# KiCad board TRX055.01.01.PB.00.00.kicad_pcb (continued)
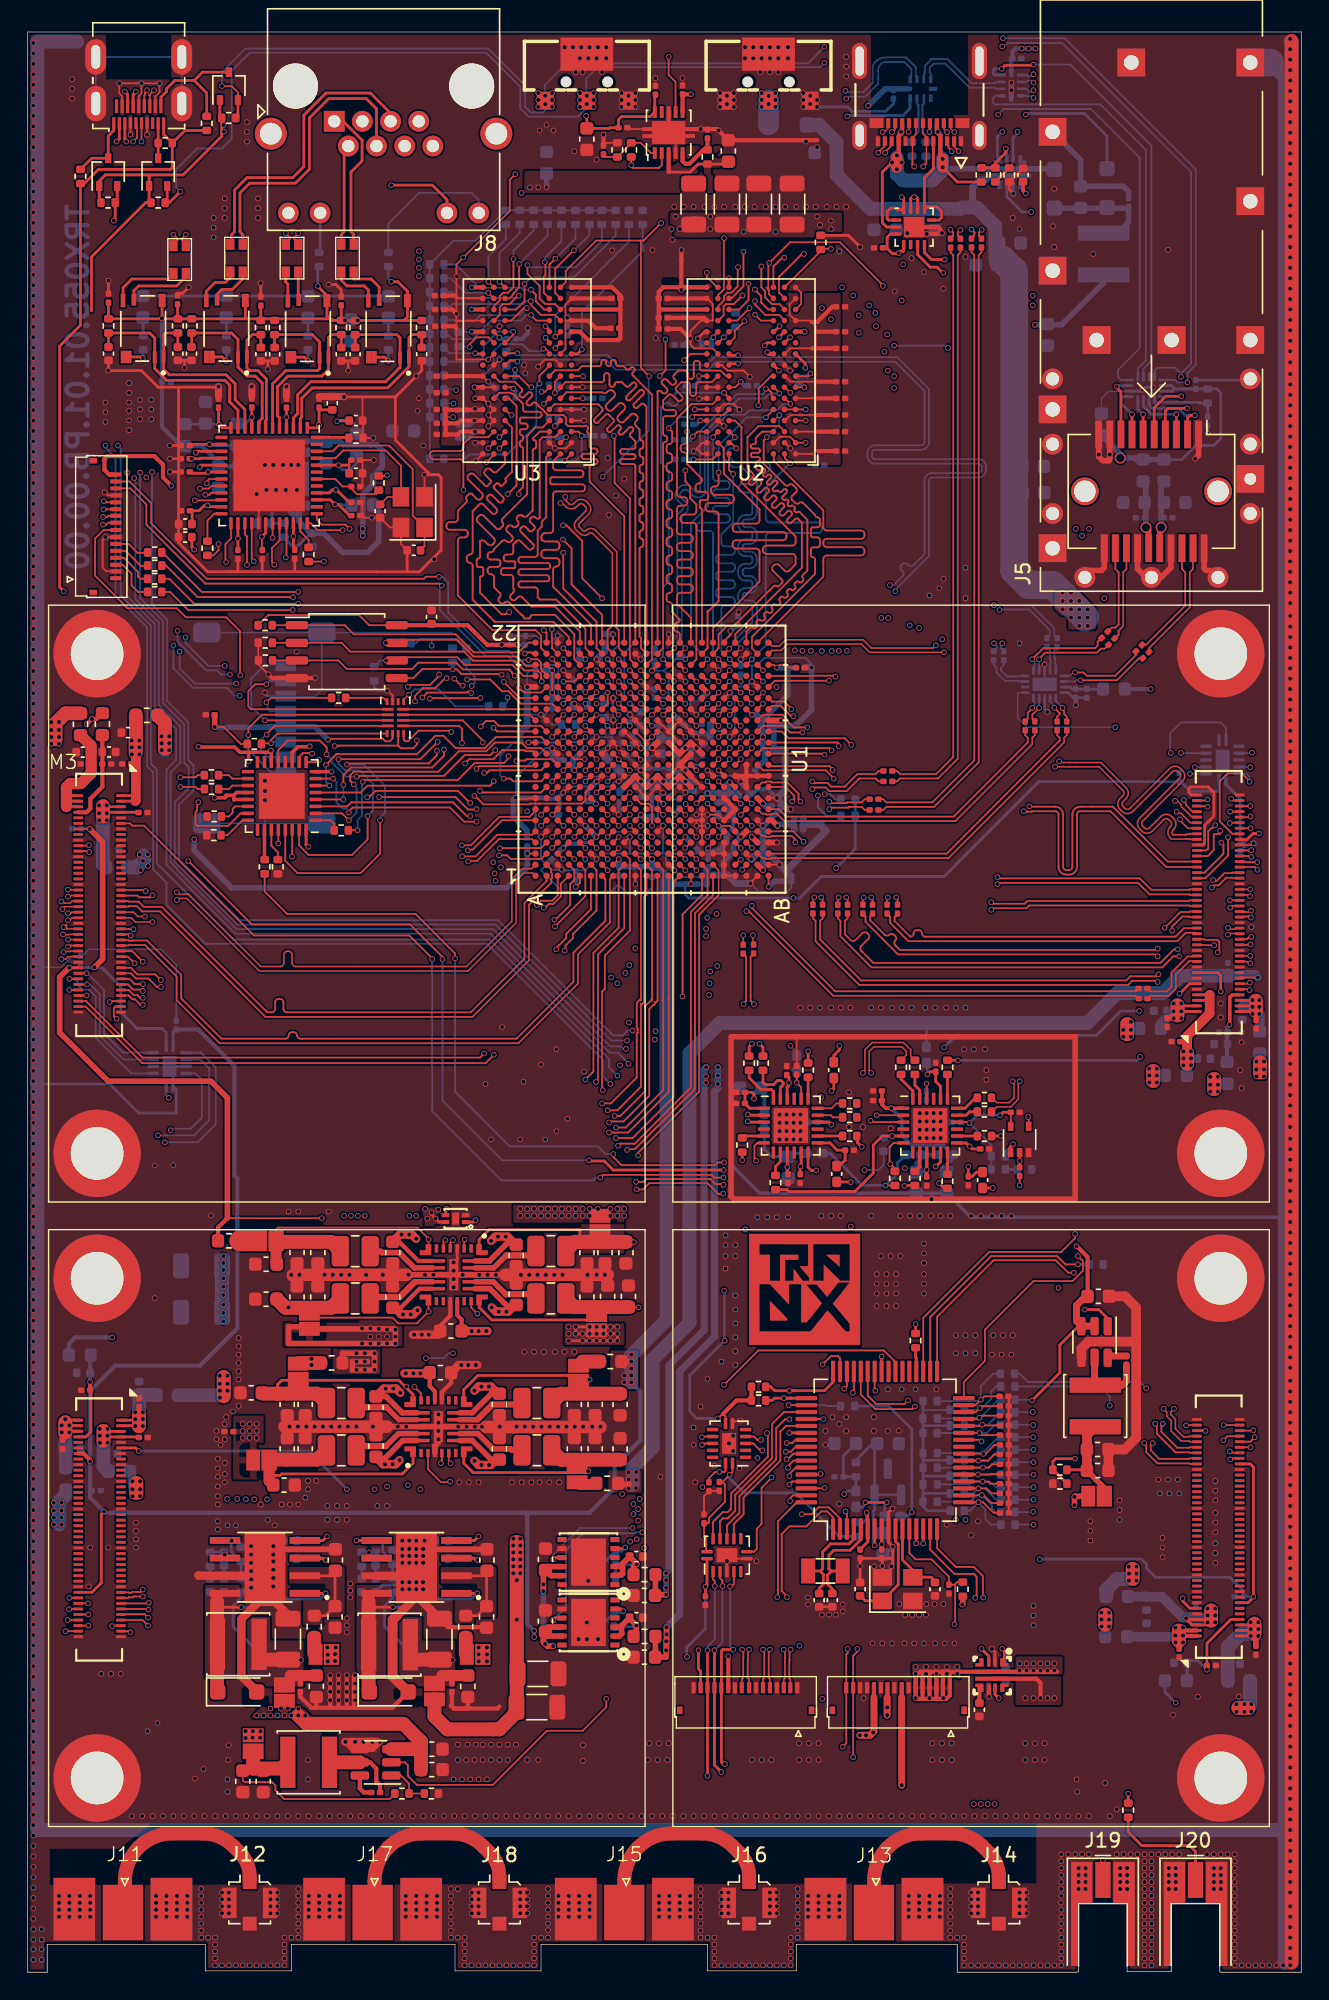
[diagram p0: board, top side]
## Routing (per net, layer and track width the routed paths; a pad name or vN(x,y) marks a point on that pad's centre or on a via; arc(x,y) is an arc through that point) (continued)
  In4.Cu w0.127: v1(48.2,90.6) 48.19,90.6 47.82,90.97 ; 47.4,93 v1(47.41,92.99)
  Bottom w0.1: J6.9 21.2,92.4 20.75,91.94 18.6,91.94 ; J6.9 J6.9 ; J6.9 30.61,96.53 ; C164.2 54.8,56.22 54.9,56.12 ; v1(17.1,84.45) 17.1,82.78 ; 17.1,82.78 J6.9 ; 17.1,82.78 J6.9 ; 42.12,89 C51.2 42.19,89.41 42.19,91.05 ; 42.12,89 42.12,88.67 C50.2 42.09,88.63 C55.2 42.84,88.44 v1(42.6,88.2) 43.08,87.72 C184.2 ; 42.12,89 42.11,88.99 41.01,88.99 v1(41,89) ; C231.2 77.4,113.4 77.9,113.9 79.38,113.9 U22.6 ; 0.7,72.4 2.4,72.4 3.22,73.22 C220.2 3.92,73.22 4.4,73.7 9.6,73.7 10.7,72.6 C223.2 ; v1(88.37,81.34) 88.23,81.2 87.81,81.2 87.4,80.78 ; 33.92,90.6 36,90.6
  Bottom w0.127: v1(43.4,90.6) 43.04,90.96 42.19,90.96 42.19,91.81 ; R150.1 24.97,92.61 25.25,92.33 v1(25.9,92.33) ; v1(39.4,91.4) 39.4,90.96 37.61,90.96 37.25,90.6 v1(36.99,90.6) ; 47.76,91.85 47.76,91.04 v1(48.2,90.6) 48.6,91 50.96,91 ; v1(36,92.6) 36,93.6 36.22,93.82 36.58,93.82 ; C60.2 34.78,96.29 C59.2 36.66,96.29 37.06,95.89 37.79,95.89 v1(38.2,96.3) 38.55,96.3 ; 64.54,40.53 64.56,40.5 66.5,40.5 ; C77.2 45,78.15 44.55,77.7 43.25,77.7 42.61,78.34 C78.2 42.61,78.41 42.03,77.84 38.56,77.84 37,79.4 37.4,79.8 ; v1(32,118.2) 31.96,118.16 R51.1 ; 46,80.6 46,80 v1(46.6,79.4) 47.1,78.9 48.92,78.9 ; 46,80.6 48.2,80.6 48.2,81 ; 46,80.6 45.8,80.6 ; C29.2 44.2,88.48 v1(44.2,88.2) ; 37.4,79.8 37.76,79.44 v1(38.49,79.44) 38.53,79.4 40.2,79.4 v1(41,80.2) 41.4,80.6 43.4,80.6 ; 37.4,79.8 37,80.2 v1(37,81.8) 37,81.81 36.6,82.21 36.6,84.51 ; 50.96,91 50.96,89.36 v1(50.6,89) 50.16,89.44 49.41,89.44 49.23,89.25 ; 50.96,91 50.96,91.84 v1(50.6,92.2) 51.04,92.64 51.84,92.64 v1(52.2,93) 52.2,94.09 52.15,94.14 ; v1(52.1,78.45) 52.8,77.75 54.65,77.75 55.02,78.12 C41.2 ; v1(56.5,94) 56.5,94.25 56.05,94.7 53.1,94.7 52.54,94.14 52.15,94.14 ; 52.15,94.14 C83.2 51.38,94.16 50.16,94.16 v1(49.8,93.8) ; J7.SH J7.SH J7.SH J7.SH ; v1(44.2,94.6) 44.2,94.75 44.56,95.11 C63.2 ; 43.4,80.6 44.6,80.6 45.8,80.6 ; 43.4,80.6 v1(43.4,81.8) ; v1(36.99,90.6) 36,90.6 ; v1(36.99,90.6) 37.07,90.6 37.77,89.9 R70.2 39.02,89.36 40.64,89.36 v1(41,89) ; 18.6,91.94 17.25,91.94 17,92.2 ; 45.8,80.6 v1(45.8,82.6) 45.42,82.98 45.42,84.62 v1(45.8,85) 46.07,84.73 C30.2 46.52,84.51 46.95,84.51 47.4,84.96 v1(47.4,85) ; C50.2 41.8,88.35 v1(41.8,88.2) ; C184.2 44.2,86.62 v1(44.2,86.6) 43.84,86.24 43.04,86.24 v1(42.6,85.8) 42.37,85.8 42.01,85.44 41.36,85.44 v1(41,85.8) 40.64,85.44 39.04,85.44 v1(38.6,85) 38.4,85 ; 56.08,114.3 v1(55.98,114.2) ; 51.06,97.85 51.2,97.72 ; 48.34,113.4 v1(48.38,113.36) ; v1(54.29,90.19) 54.29,90.21 ; v1(51.4,85.8) 50.99,86.21 49.45,86.21 49.07,86.59 v1(49,86.59) ; 35.2,84.64 v1(35.18,84.64) 35.2,84.66 35.2,86.1 37.3,88.2 v1(37.8,88.2) ; U26.12 73.3,93.05 ; v1(51.4,81.8) 51.76,82.16 52.56,82.16 v1(53,82.6)
  Bottom w0.2: v1(44.2,86.6) 44.37,86.77 C31.2 46.31,86.77 46.7,86.38 C38.2 47.12,86.6 v1(47.4,86.6) 47.8,87 48.48,87 48.6,86.89 ; C243.2 C241.2 ; v1(56.9,134.4) 59.1,134.4 59.42,134.08 61.85,134.08 62.4,134.63 C232.2 ; U23.4 U23.15 10.47,65.01 U23.7 10.7,63.6 10.7,61.9 8,61.9 5.9,64 0.7,64 ; 64.56,41.22 64.54,41.21 R132.2 64.54,39.4 ; C242.2 18.1,31.1 v1(17.7,30.7) ; R116.2 64.54,34.5 ; 64.54,34.5 64.54,35.75 ; 64.54,34.5 R114.2 64.54,33.56 64.85,33.25 R112.2 ; 29.28,29.8 28.67,29.8 28.67,29.3 27.28,27.9 25.58,27.9 C255.2 C252.2 ; 64.54,35.75 R120.2 ; 64.54,35.75 R122.2 R126.2 64.54,39.4 ; v1(73.5,90.8) 73.3,91 U26.3 ; v1(44.2,93) 44.74,92.46 C69.2 ; 81.15,114.2 80.6,114.2 80.32,113.92 80.15,113.92 ; J5.CAGE 88.04,114.72 C273.2 ; C272.2 75.37,91.83 75,92.2 U26.18 ; R3.2 15.38,30.93 ; U22.6 80.15,113.92 ; 80.15,113.92 80.27,113.92 ; 64.55,36.9 64.57,36.88 66.47,36.88 R124.2 ; 64.54,39.4 64.56,39.38 66.47,39.38 R130.2 ; C174.2 61.78,30.09 v1(62.35,30.66) ; C251.2 28.67,31.1 ; v1(17.7,108.6) 17.6,108.7 U31.8 ; C274.2 v1(85.05,110.85)
  Bottom w0.25: U27.8 71.03,128.07 ; 65.15,56.12 C169.2 52.78,56.12 50.8,58.1 50.8,63.17 C165.2 ; 65.15,56.12 v1(65.15,55.7) ; 65.15,56.12 C171.2 67.97,54.4 90.6,54.4
  Bottom w0.3: C328.2 48.63,117.37 v1(48.29,117.71) ; C35.2 42.64,83.44 v1(42.6,83.4) ; v1(35.18,84.64) 35.2,84.62 37.16,84.62 37.23,84.55 37.61,84.55 37.61,84.55 37.99,84.55 38.06,84.62 38.14,84.62 38.31,84.45 ; C28.2 47.51,85.11 v1(47.4,85) ; v1(51.4,81.8) 50.86,82.34 C47.2 50.83,83.36 R152.2 ; C33.2 45,83.91 C81.2 ; C33.2 45.48,84.68 v1(45.8,85) ; C33.2 C34.2 ; v1(38.6,85) 38.31,84.71 38.31,84.45 ; C327.2 55.84,114.34 v1(55.98,114.2) ; 38.31,84.45 C74.2 ; C83.2 v1(51.4,94.6) ; v1(51.4,85.8) 51.33,85.73 51.33,85.7 52.19,84.84 52.59,85.24 53.36,85.24 v1(54,84.6) ; C271.2 v1(75.55,91.3) ; 36.05,118.48 36.05,118.09 35.64,117.68 C330.2
  Bottom w0.4: v1(53,82.6) 53.05,82.6 54.27,83.82 C44.2 54.27,84.33 ; 53.9,89.8 v1(54.29,90.19) ; 53.9,89.8 C86.2 53.77,89.5 C84.2 ; 53.9,89.8 55.35,89.8 56.5,90.95 v1(56.5,94) ; v1(44.2,88.2) 44.21,88.21 v1(45.01,88.21) ; C287.1 79.35,128.3 78.97,128.68 C286.2 75.9,130.57 J5.CAGE ; C73.2 40.35,85.15 v1(41,85.8) ; 48.05,89.15 47.86,89.34 C52.2 ; 48.05,89.15 v1(48.2,89) ; 48.05,89.15 48.15,89.25 49.23,89.25 ; 54.27,84.33 v1(54,84.6) ; 54.27,84.33 54.8,83.8 v1(55,83.8) ; C72.2 36,82.25 35.01,83.24 35.01,84.47 v1(35.18,84.64) ; v1(37.8,88.2) 37.8,87.5 37.98,87.32 C58.2 ; U9.5 v1(70.9,136.15) ; 37.4,79.8 37.4,79.82 C71.2 ; 50.15,79.05 50.15,80 50.9,80.75 50.9,81.3 v1(51.4,81.8)
  Bottom w0.5: 48.92,79.05 50.45,79.05 51.05,78.45 v1(52.1,78.45) ; 48.92,79.05 48.92,79.46 C48.2 ; 48.92,79.05 C76.2 ; 55.9,82.7 55.9,83.09 C43.2 ; 55.9,82.7 57.1,82.7 ; 55.9,82.7 C40.2 ; 54.65,79.35 57.55,82.25 57.1,82.7 ; 54.65,79.35 v1(54.2,79.8) 53.38,80.62 C42.2 ; 54.65,79.35 55.02,78.98 C41.2 ; C84.2 54.6,88.1 54.6,85.2 v1(54,84.6) ; v1(36,92.6) 36,89.82 C57.2 ; C63.2 45.18,95.38 ; R152.2 50.45,83.74 C46.2 50.42,84.3 C45.2 ; 57.2,82.8 57.1,82.7 ; C42.2 52.6,80.62 52.18,80.2 v1(52.14,80.2) ; C42.2 v1(53,82.6) ; C82.2 v1(56.5,94) ; C39.2 49.23,89.89 49.22,89.91 ; R52.1 45.97,88.76 C54.2 45.55,88.76 45.27,88.47 45.19,88.47 44.97,88.25 ; 41.01,94.6 41.62,95.2 C64.2
  Bottom w1: 90.6,10.3 90.6,0.7 91.1,0.7 91.1,139.1 91,139.1 ; 90.6,10.3 90.55,10.25 0.78,10.25 0.7,10.32 0.7,139.1 3.56,139.1 ; 90.6,10.3 90.6,136.55 89.55,137.6
  Bottom w2: J5.CAGE 89.55,137.6
  vias: v1(0.4,139) v1(0.4,138.25) v1(0.4,137.5) v1(0.4,136.75) v1(0.4,136) v1(0.4,135.25) v1(0.4,134.5) v1(0.4,133.75) v1(0.4,133) v1(0.4,132.25) v1(0.4,131.5) v1(0.4,130.57) v1(0.4,129.8) v1(0.4,129.05) v1(0.4,128.3) v1(0.4,127.55) v1(0.4,126.8) v1(0.4,126.05) v1(0.4,125.3) v1(0.4,124.55) v1(0.4,123.8) v1(0.4,123.05) v1(0.4,122.3) v1(0.4,121.55) v1(0.4,120.8) v1(0.4,120.05) v1(0.4,119.3) v1(0.4,118.55) v1(0.4,117.8) v1(0.4,117.05) v1(0.4,116.3) v1(0.4,115.55) v1(0.4,114.8) v1(0.4,114.05) v1(0.4,113.3) v1(0.4,112.55) v1(0.4,111.8) v1(0.4,111.05) v1(0.4,110.3) v1(0.4,109.55) v1(0.4,108.8) v1(0.4,108.05) v1(0.4,107.3) v1(0.4,106.55) v1(0.4,105.8) v1(0.4,105.05) v1(0.4,104.3) v1(0.4,103.55) v1(0.4,102.8) v1(0.4,102.05) v1(0.4,101.3) v1(0.4,100.55) v1(0.4,99.8) v1(0.4,99.05) v1(0.4,98.3) v1(0.4,97.55) v1(0.4,96.8) v1(0.4,96.05) v1(0.4,95.3) v1(0.4,94.55) v1(0.4,93.75) v1(0.4,92.9) v1(0.4,92.15) v1(0.4,91.4) v1(0.4,90.65) v1(0.4,89.9) v1(0.4,89.15) v1(0.4,88.4) v1(0.4,87.65) v1(0.4,86.9) v1(0.4,86.15) v1(0.4,85.4) v1(0.4,84.65) v1(0.4,83.9) v1(0.4,83.15) v1(0.4,82.4) v1(0.4,81.65) v1(0.4,80.9) v1(0.4,80.15) v1(0.4,79.4) v1(0.4,78.65) v1(0.4,77.9) v1(0.4,77.15) v1(0.4,76.4) v1(0.4,75.47) v1(0.4,74.7) v1(0.4,73.95) v1(0.4,73.2) v1(0.4,72.45) v1(0.4,71.7) v1(0.4,70.95) v1(0.4,70.2) v1(0.4,69.45) v1(0.4,68.7) v1(0.4,67.95) v1(0.4,67.2) v1(0.4,66.45) v1(0.4,65.7) v1(0.4,64.95) v1(0.4,64.2) v1(0.4,63.45) v1(0.4,62.7) v1(0.4,61.95) v1(0.4,61.2) v1(0.4,60.45) v1(0.4,59.7) v1(0.4,58.95) v1(0.4,58.2) v1(0.4,57.45) v1(0.4,56.7) v1(0.4,55.95) v1(0.4,55.2) v1(0.4,54.45) v1(0.4,53.7) v1(0.4,52.95) v1(0.4,52.2) v1(0.4,51.45) v1(0.4,50.7) v1(0.4,49.95) v1(0.4,49.2) v1(0.4,48.45) v1(0.4,47.7) v1(0.4,46.95) v1(0.4,46.2) v1(0.4,45.45) v1(0.4,44.7) v1(0.4,43.95) v1(0.4,43.2) v1(0.4,42.45) v1(0.4,41.7) v1(0.4,40.95) v1(0.4,40.2) v1(0.4,39.45) v1(0.4,38.65) v1(0.4,37.8) v1(0.4,37.05) v1(0.4,36.3) v1(0.4,35.55) v1(0.4,34.8) v1(0.4,34.05) v1(0.4,33.3) v1(0.4,32.55) v1(0.4,31.8) v1(0.4,31.05) v1(0.4,30.3) v1(0.4,29.55) v1(0.4,28.8) v1(0.4,28.05) v1(0.4,27.3) v1(0.4,26.55) v1(0.4,25.8) v1(0.4,25.05) v1(0.4,24.3) v1(0.4,23.55) v1(0.4,22.8) v1(0.4,22.05) v1(0.4,21.3) v1(0.4,20.38) v1(0.4,19.6) v1(0.4,18.85) v1(0.4,18.1) v1(0.4,17.35) v1(0.4,16.6) v1(0.4,15.85) v1(0.4,15.1) v1(0.4,14.35) v1(0.4,13.6) v1(0.4,12.85) v1(0.4,12.1) v1(0.4,11.35) v1(0.4,10.6) v1(0.4,9.85) v1(0.4,9.1) v1(0.4,8.35) v1(0.4,7.6) v1(0.4,6.85) v1(0.4,6.1) v1(0.4,5.35) v1(0.4,4.6) v1(0.4,3.85) v1(0.4,3.1) v1(0.4,2.35) v1(0.4,1.65) v1(0.4,0.9) v1(1,3.1) v1(1,2.35) v1(1,1.65) v1(1,0.9) v1(2.25,5.5) v1(2.25,5) v1(2.25,4.5) v1(2.25,4) v1(3,5.5) v1(3,5) v1(3,4.5) v1(3,4) v1(3.2,136.4) v1(3.2,135.7) v1(3.2,135) v1(3.75,5.5) v1(3.75,5) v1(3.75,4.5) v1(3.75,4) v1(4.4,27.8) v1(4.5,30.6) v1(4.5,5.5) v1(4.5,5) v1(4.5,4.5) v1(4.5,4) v1(5.3,21.5) v1(5.6,113.1) v1(5.6,112.4) v1(5.6,111.7) v1(5.8,30.6) v1(6,21.5) v1(6.7,21.5) v1(7.3,114.5) v1(7.3,113.8) v1(7.3,113.1) v1(7.3,112.5) v1(7.3,111.8) v1(7.3,111.1) v1(7.5,11.25) v1(7.8,32.4) v1(7.8,31.8) v1(7.8,31.2) v1(7.8,30.6) v1(8.1,113.3) v1(8.1,112.6) v1(8.1,111.9) v1(8.25,11.25) v1(8.64,17.37) v1(8.9,113.3) v1(8.9,112.6) v1(8.9,111.9) v1(9,11.25) v1(9.16,58.12) v1(9.16,48.58) v1(9.25,5.5) v1(9.25,5) v1(9.25,4.5) v1(9.25,4) v1(9.36,17.96) v1(9.75,11.25) v1(10,5.5) v1(10,5) v1(10,4.5) v1(10,4) v1(10.49,58.15) v1(10.5,11.25) v1(10.75,5.5) v1(10.75,5) v1(10.75,4.5) v1(10.75,4) v1(11.25,11.25) v1(11.5,5.5) v1(11.5,5) v1(11.5,4.5) v1(11.5,4) v1(12,11.25) v1(12.05,13.95) v1(12.5,6) v1(12.5,5.5) v1(12.5,5) v1(12.5,4.5) v1(12.5,4) v1(12.5,3.5) v1(12.5,3) v1(12.5,2.5) v1(12.67,14.64) v1(12.75,11.25) v1(13,2.5) v1(13.2,54.53) v1(13.4,126.4) v1(13.4,125.7) v1(13.4,125) v1(13.5,11.25) v1(13.5,2.5) v1(13.5,2) v1(13.5,1.5) v1(13.5,1) v1(13.5,0.5) v1(13.6,39) v1(13.6,38.4) v1(13.7,37) v1(13.7,36.3) v1(13.7,35.7) v1(13.7,35) v1(13.7,34.3) v1(13.7,33.7) v1(13.7,32.5) v1(13.7,31.9) v1(13.9,38) v1(14,5.75) v1(14,5.25) v1(14,4.75) v1(14,4.25) v1(14,0.5) v1(14.2,127.8) v1(14.2,127.1) v1(14.2,126.4) v1(14.2,39.5) v1(14.2,38.4) v1(14.2,36.7) v1(14.2,35.9) v1(14.2,35.3) v1(14.25,11.25) v1(14.3,40) v1(14.4,32.2) v1(14.4,13.9) v1(14.4,13) v1(14.48,16.36) v1(14.45,15.3) v1(14.5,5.75) v1(14.5,5.25) v1(14.5,4.75) v1(14.5,4.25) v1(14.5,0.5) v1(14.8,40.4) v1(15,32.2) v1(15,11.25) v1(15,0.5) v1(15.2,45.7) v1(15.2,45.1) v1(15.2,44.5) v1(15.2,43.9) v1(15.2,43.3) v1(15.19,42.71) v1(15.2,40.8) v1(15.5,0.5) v1(15.8,133.3) v1(15.8,132.6) v1(15.8,131.9) v1(15.75,11.25) v1(16,0.5) v1(16.1,30.7) v1(16.1,30.1) v1(16.1,29.5) v1(16.1,28.9) v1(16.1,28.3) v1(16.1,27.7) v1(16.5,106.5) v1(16.5,11.25) v1(16.5,0.5) v1(16.6,127.8) v1(16.6,127.1) v1(16.6,126.4) v1(16.8,33.7) v1(17,0.5) v1(17.1,108.6) v1(17.1,92.2) v1(17.1,85.85) v1(17.1,85.1) v1(17.2,106.8) v1(17.25,11.25) v1(17.3,32.6) v1(17.5,5.75) v1(17.5,5.25) v1(17.5,4.75) v1(17.5,4.25) v1(17.5,0.5) v1(17.7,30.1) v1(17.7,29.6) v1(17.7,29) v1(17.7,28.4) v1(17.7,27.8) v1(17.8,32.2) v1(17.9,106.8) v1(18,11.25) v1(18,5.75) v1(18,5.25) v1(18,4.75) v1(18,4.25) v1(18,0.5) v1(18.3,33.7) v1(18.4,108.6) v1(18.5,2.5) v1(18.5,2) v1(18.5,1.51) v1(18.5,1) v1(18.5,0.5) v1(18.6,106.8) v1(18.8,54.8) v1(18.75,11.25) v1(18.88,39.32) v1(18.9,33.7) v1(19,108.6) v1(18.99,50.25) v1(19,2.5) v1(19.4,106.8) v1(19.4,95.15) v1(19.5,108.6) v1(19.5,54.8) v1(19.48,39.32) v1(19.5,33.7) v1(19.5,11.25) v1(19.5,6) v1(19.5,5.5) v1(19.5,5) v1(19.5,4.5) v1(19.5,4) v1(19.5,3.5) v1(19.5,3) v1(19.5,2.5) v1(19.59,50.25) v1(20,34.2) v1(20.08,39.32) v1(20.2,35.4) v1(20.2,34.8) v1(20.2,15.3) v1(20.2,13.9) v1(20.25,11.25) v1(20.25,5.5) v1(20.25,5) v1(20.25,4.5) v1(20.25,4) v1(20.72,93.26) v1(20.68,39.32) v1(20.8,35.4) v1(21,11.25) v1(21,5.5) v1(21,5) v1(21,4.5) v1(21,4) v1(21.28,39.32) v1(21.39,50.25) v1(21.6,33.6) v1(21.6,32.6) v1(21.7,54.8) v1(21.8,21.4) v1(21.8,20.8) v1(21.8,20.21) v1(21.8,19.6) v1(21.75,11.25) v1(21.75,5.5) v1(21.75,5) v1(21.75,4.5) v1(21.75,4) v1(21.88,39.32) v1(21.99,50.25) v1(22.3,33.6) v1(22.3,32.6) v1(22.4,21.4) v1(22.4,20.8) v1(22.4,20.2) v1(22.4,19.6) v1(22.48,39.32) v1(22.5,11.25) v1(22.5,5.5) v1(22.5,5) v1(22.5,4.5) v1(22.5,4) v1(22.59,50.25) v1(23,33.6) v1(23,32.6) v1(23,25.5) v1(23,25) v1(23,24.5) v1(23,21.4) v1(23,20.8) v1(23,20.2) v1(23,19.6) v1(23.08,39.32) v1(23.19,50.25) v1(23.25,28) v1(23.25,27.5) v1(23.25,27) v1(23.25,11.25) v1(23.6,21.4) v1(23.6,20.8) v1(23.6,20.2) v1(23.6,19.6) v1(23.6,16.6) v1(23.68,39.32) v1(24,11.25) v1(24.2,16.6) v1(24.39,50.25) v1(24.8,104.8) v1(24.75,11.25) v1(24.88,39.32) v1(24.95,108.95) v1(25.2,33.6) v1(25.5,11.25) v1(25.59,50.25) v1(25.9,33.6) v1(26.25,11.25) v1(26.68,39.32) v1(27,31.1) v1(27,30.5) v1(27,30) v1(27,29.5) v1(27,28.1) v1(27,27.6) v1(27,11.25) v1(27.25,5.5) v1(27.25,5) v1(27.25,4.5) v1(27.25,4) v1(27.28,39.32) v1(27.45,50.26) v1(27.5,31.1) v1(27.5,30.5) v1(27.5,30) v1(27.5,29.5) v1(27.5,28.1) v1(27.5,27.6) v1(27.75,11.25) v1(27.86,45.94) v1(28,31.1) v1(28,30.5) v1(28,30) v1(28,29.5) v1(28,28.1) v1(28,27.6) v1(28,5.5) v1(28,5) v1(28,4.5) v1(28,4) v1(28.1,112.5) v1(28.2,113.4) v1(28.41,45.94) v1(28.5,110) v1(28.5,30.5) v1(28.5,30) v1(28.5,29.5) v1(28.49,28.1) v1(28.5,27.6) v1(28.5,11.25) v1(28.64,50.25) v1(28.6,31.1) v1(28.75,5.5) v1(28.75,5) v1(28.75,4.5) v1(28.75,4) v1(28.91,45.94) v1(29.24,50.25) v1(29.25,11.25) v1(29.3,101.8) v1(29.5,5.5) v1(29.5,5) v1(29.5,4.5) v1(29.5,4) v1(29.6,40.2) v1(29.6,39.6) v1(29.6,39) v1(30,11.25) v1(30.5,6) v1(30.5,5.5) v1(30.5,5) v1(30.5,4.5) v1(30.5,4) v1(30.5,3.5) v1(30.5,3) v1(30.5,2.5) v1(30.7,50.55) v1(30.7,49.95) v1(30.7,49.35) v1(30.7,13.9) v1(30.75,11.25) v1(31.03,39.31) v1(31,16.4) v1(31,15.3) v1(31,6) v1(31,2.5) v1(31.1,35.3) v1(31.25,43.75) v1(31.35,50.25) v1(31.3,13.9) v1(31.5,11.25) v1(31.5,2.5) v1(31.5,2) v1(31.5,1.5) v1(31.5,1) v1(31.5,0.5) v1(31.63,39.31) v1(31.6,15.3) v1(31.7,16.4) v1(31.75,43.75) v1(31.8,35.3) v1(31.9,13.9) v1(32,5.75) v1(32,5.25) v1(32,4.75) v1(32,4.25) v1(32,0.5) v1(32.23,39.31) v1(32.2,15.3) v1(32.25,11.25) v1(32.3,43.75) v1(32.3,16.4) v1(32.55,50.25) v1(32.5,35.3) v1(32.5,13.9) v1(32.5,5.75) v1(32.5,5.25) v1(32.5,4.75) v1(32.5,4.25) v1(32.5,0.5) v1(32.74,39.3) v1(32.8,16.4) v1(32.8,15.3) v1(33,64) v1(33,11.25) v1(33,0.5) v1(33.1,13.9) v1(33.2,113) v1(33.15,50.25) v1(33.4,60) v1(33.4,16.4) v1(33.4,15.3) v1(33.5,0.5) v1(33.75,50.25) v1(33.75,11.25) v1(34.02,118.59) v1(34.03,39.31) v1(34,16.4) v1(34,15.3) v1(34,0.5) v1(34.2,68.1) v1(34.5,11.25) v1(34.5,0.5) v1(34.6,16.4) v1(34.6,15.3) v1(34.9,35.3) v1(35,0.5) v1(35.23,39.31) v1(35.2,16.4) v1(35.25,11.25) v1(35.5,60) v1(35.55,50.25) v1(35.5,5.75) v1(35.5,5.25) v1(35.5,4.75) v1(35.5,4.25) v1(35.5,0.5) v1(35.6,35.3) v1(35.74,64.16) v1(35.78,115.81) v1(35.8,44.7) v1(35.83,39.31) v1(35.86,115.21) v1(36.05,118.48) v1(36,15.3) v1(36,11.25) v1(36,5.75) v1(36,5.25) v1(36,4.75) v1(36,4.25) v1(36,0.5) v1(36.15,50.25) v1(36.3,35.3) v1(36.43,39.31) v1(36.5,44.7) v1(36.5,2.5) v1(36.5,2) v1(36.5,1.5) v1(36.5,1) v1(36.5,0.5) v1(36.79,115.68) v1(36.75,50.25) v1(36.8,15.3) v1(36.75,11.25) v1(36.9,132.7) v1(36.9,35.3) v1(37,65.4) v1(37.03,39.31) v1(37,2.5) v1(37.2,44.7) v1(37.3,60) v1(37.35,50.25) v1(37.4,133.1) v1(37.5,11.25) v1(37.5,6) v1(37.5,5.5) v1(37.5,5) v1(37.5,4.5) v1(37.5,4) v1(37.5,3.5) v1(37.5,3.03) v1(37.5,2.5) v1(37.63,39.31) v1(37.6,35.3) v1(37.9,132.7) v1(37.95,50.25) v1(38,44.7) v1(38.1,66.5) v1(38.1,60.6) v1(38.23,39.31) v1(38.25,11.25) v1(38.25,5.5) v1(38.25,5) v1(38.25,4.5) v1(38.25,4) v1(38.3,35.3) v1(38.55,50.25) v1(38.7,138.7) v1(38.7,44.7) v1(38.83,39.31) v1(38.9,61.5) v1(39,11.25) v1(39,5.5) v1(39,5) v1(39,4.5) v1(39,4) v1(39.3,138.7) v1(39.4,131.2) v1(39.4,44.7) v1(39.43,39.31) v1(39.5,136.9) v1(39.7,24) v1(39.8,137.9) v1(39.75,11.25) v1(39.75,5.5) v1(39.75,5) v1(39.75,4.5) v1(39.75,4) v1(39.9,138.7) v1(40,136.9) v1(40,114.2) v1(40.03,39.31) v1(40.03,16.36) v1(40.03,15.24) v1(40.1,64.9) v1(40.35,50.25) v1(40.3,25.2) v1(40.3,24) v1(40.4,137.9) v1(40.4,28.2) v1(40.5,138.7) v1(40.5,11.25) v1(40.5,5.5) v1(40.5,5) v1(40.5,4.5) v1(40.5,4) v1(40.68,39.31) v1(41,137.9) v1(41,130.6) v1(41,50.25) v1(41.1,138.7) v1(41.1,24) v1(41.25,11.25) v1(41.28,39.31) v1(41.4,136.9) v1(41.5,132.4) v1(41.6,50.25) v1(41.7,138.7) v1(41.7,137.9) v1(41.8,109.1) v1(41.9,105) v1(42,11.25) v1(42.13,124.06) v1(42.22,90.23) v1(42.4,106.4) v1(42.8,135.4) v1(42.8,134.9) v1(42.8,134.4) v1(42.75,11.25) v1(43,107.6) v1(43.3,135.2) v1(43.3,134.6) v1(43.5,11.25) v1(43.8,135.4) v1(43.8,134.9) v1(43.8,134.4) v1(44.25,11.25) v1(44.7,15.3) v1(44.8,16.5) v1(45.03,124.08) v1(45,11.25) v1(45.25,136.46) v1(45.26,117.75) v1(45.4,15.3) v1(45.5,16.5) v1(45.5,5.5) v1(45.5,5) v1(45.5,4.5) v1(45.5,4) v1(45.6,35.7) v1(45.75,11.25) v1(46.1,15.3) v1(46.2,16.5) v1(46.25,5.5) v1(46.25,5) v1(46.25,4.5) v1(46.25,4) v1(46.4,125.6) v1(46.48,124.83) v1(46.5,11.25) v1(46.6,127.2) v1(47,5.5) v1(47,5) v1(47,4.5) v1(47,4) v1(47.2,136.48) v1(47.25,11.25) v1(47.3,127.2) v1(47.75,5.5) v1(47.75,5) v1(47.75,4.5) v1(47.75,4) v1(48,127.2) v1(48,109.6) v1(48,39.25) v1(48,38) v1(48,11.25) v1(48.1,35.3) v1(48.5,132.8) v1(48.5,40.75) v1(48.5,6) v1(48.5,5.5) v1(48.5,5) v1(48.5,4.5) v1(48.5,4) v1(48.5,3.5) v1(48.49,3) v1(48.5,2.5) v1(48.8,127.2) v1(48.75,11.25) v1(49,42.75) v1(49,2.5) v1(49.5,127.2) v1(49.5,36.5) v1(49.5,11.25) v1(49.5,2.5) v1(49.5,2) v1(49.5,1.5) v1(49.5,1) v1(49.5,0.5) v1(49.8,132.7) v1(49.9,135.4) v1(49.9,134.9) v1(49.9,134.4) v1(50,44) v1(50,5.75) v1(50,5.25) v1(50,4.75) v1(50,4.25) v1(50,0.5) v1(50.2,127.2) v1(50.25,11.25) v1(50.3,53.1) v1(50.3,52.4) v1(50.3,51.6) v1(50.3,50.7) v1(50.4,135.2) v1(50.4,134.6) v1(50.4,29.62) v1(50.55,38.1) v1(50.5,5.75) v1(50.5,5.25) v1(50.5,4.75) v1(50.5,4.25) v1(50.5,0.5) v1(50.85,38.65) v1(50.85,37.55) v1(50.9,135.4) v1(50.9,134.9) v1(50.9,134.4) v1(51,127.2) v1(51,52.4) v1(51,51.6) v1(51,48.75) v1(51,47.75) v1(51,46.75) v1(51,45.75) v1(51,44.75) v1(51,43.75) v1(51,11.25) v1(51,0.5) v1(51.25,98.01) v1(51.3,36.3) v1(51.4,39.75) v1(51.5,0.5) v1(51.7,138.7) v1(51.7,137.9) v1(51.7,127.2) v1(51.75,11.25) v1(52,0.5) v1(52.2,15.3) v1(52.3,138.7) v1(52.3,137.9) v1(52.4,127.2) v1(52.53,29.62) v1(52.5,11.25) v1(52.5,0.5) v1(52.6,54.4) v1(52.8,136.9) v1(52.9,138.7) v1(52.9,137.9) v1(52.9,15.3) v1(53,0.5) v1(53.2,127.2) v1(53.25,11.25) v1(53.3,54.4) v1(53.5,138.7) v1(53.5,137.9) v1(53.5,136.9) v1(53.5,5.75) v1(53.5,5.25) v1(53.5,4.75) v1(53.5,4.25) v1(53.5,0.5) v1(53.6,15.3) v1(53.9,127.2) v1(54,54.4) v1(54,11.25) v1(54,5.75) v1(54,5.25) v1(54,4.75) v1(54,4.25) v1(54,0.5) v1(54.1,138.7) v1(54.1,137.9) v1(54.1,136.9) v1(54.2,61.8) v1(54.2,61.2) v1(54.2,60.6) v1(54.2,60) v1(54.5,0.5) v1(54.6,127.2) v1(54.7,61.8) v1(54.7,61.2) v1(54.7,60.6) v1(54.7,60) v1(54.8,138.7) v1(54.8,137.9) v1(54.8,54.4) v1(54.75,11.25) v1(55,2.5) v1(55,2) v1(55,1.5) v1(55,1) v1(55,0.5) v1(55.2,61.8) v1(55.2,61.2) v1(55.2,60.6) v1(55.2,60) v1(55.4,127.2) v1(55.5,11.25) v1(55.5,6) v1(55.5,5.5) v1(55.5,5) v1(55.5,4.5) v1(55.5,4) v1(55.5,3.5) v1(55.5,3) v1(55.5,2.5) v1(55.6,16.5) v1(55.6,15.3) v1(55.7,69.5) v1(55.7,61.8) v1(55.7,61.2) v1(55.7,60.6) v1(55.7,60) v1(55.9,135.4) v1(55.9,134.9) v1(55.9,134.4) v1(56.1,131.9) v1(56.1,127.2) v1(56.25,27) v1(56.25,26.5) v1(56.25,11.25) v1(56.25,5.5) v1(56.25,5) v1(56.25,4.5) v1(56.25,4) v1(56.3,16.5) v1(56.3,15.3) v1(56.4,135.2) v1(56.4,134.6) v1(56.4,69.5) v1(56.8,127.2) v1(56.9,134.9) v1(56.9,131.5) v1(57,16.5) v1(57,15.3) v1(57,11.25) v1(57,5.5) v1(57,5) v1(57,4.5) v1(57,4) v1(57.1,69.5) v1(57.2,54.5) v1(57.25,25.75) v1(57.5,39) v1(57.5,38) v1(57.6,127.2) v1(57.76,25.76) v1(57.75,11.25) v1(57.75,5.5) v1(57.75,5) v1(57.75,4.5) v1(57.75,4) v1(57.9,69.5) v1(57.9,54.5) v1(58,40) v1(58.25,25.75) v1(58.3,127.2) v1(58.5,124) v1(58.5,39.5) v1(58.5,33.75) v1(58.5,11.25) v1(58.5,5.5) v1(58.5,5) v1(58.5,4.5) v1(58.5,4) v1(58.6,69.5) v1(58.6,54.5) v1(58.75,26.5) v1(58.75,26) v1(59,138) v1(59,137.3) v1(59,136.6) v1(59,127.2) v1(59,40) v1(59,39) v1(59.2,63.4) v1(59.2,60.9) v1(59.25,11.25) v1(59.3,69.5) v1(60,29.25) v1(60,11.25) v1(60.2,60.9) v1(60.25,19.75) v1(60.8,69.5) v1(60.8,54.5) v1(60.75,11.25) v1(60.9,23.7) v1(61,40) v1(61,39) v1(61,29.25) v1(61.2,50.3) v1(61.2,49.6) v1(61.2,48.9) v1(61.2,48) v1(61.5,69.5) v1(61.5,51.6) v1(61.5,11.25) v1(61.6,29.28) v1(61.6,23.7) v1(61.9,50.3) v1(61.9,49.6) v1(61.9,48.9) v1(61.9,48) v1(62,42) v1(62,39) v1(62.2,60.8) v1(62.2,51.6) v1(62.25,11.25) v1(62.3,69.5) v1(62.3,23.7) v1(62.5,121.1) v1(62.6,50.3) v1(62.6,49.6) v1(62.6,48.9) v1(62.6,48) v1(62.79,39.02) v1(62.83,26.53) v1(62.9,54.5) v1(62.9,51.6) v1(63,69.5) v1(63,42) v1(63,11.25) v1(63.25,25.75) v1(63.2,23.7) v1(63.4,125.3) v1(63.5,5.5) v1(63.5,5) v1(63.5,4.5) v1(63.5,4) v1(63.6,54.5) v1(63.7,123.5) v1(63.7,69.5) v1(63.75,25.75) v1(63.75,11.25) v1(63.9,23.7) v1(64,42) v1(64.25,25.75) v1(64.25,5.5) v1(64.25,5) v1(64.25,4.5) v1(64.25,4) v1(64.3,61.9) v1(64.3,61.3) v1(64.3,60.7) v1(64.3,60.1) v1(64.3,54.5) v1(64.5,11.25) v1(64.6,122.5) v1(64.6,52.5) v1(64.6,51.8) v1(64.6,51.1) v1(64.6,50.3) v1(64.6,49.6) v1(64.6,48.9) v1(64.6,23.7) v1(64.7,69.5) v1(64.8,125.24) v1(64.8,61.9) v1(64.8,61.3) v1(64.8,60.7) v1(64.8,60.1) v1(64.78,26.53) v1(64.75,25.75) v1(65,99.2) v1(65,5.5) v1(65,5) v1(65,4.5) v1(65,4) v1(65.1,54.5) v1(65.2,16.5) v1(65.2,15.3) v1(65.25,11.25) v1(65.3,61.9) v1(65.3,61.3) v1(65.3,60.7) v1(65.3,60.1) v1(65.4,69.5) v1(65.38,26.53) v1(65.4,23.7) v1(65.5,42) v1(65.7,99.72) v1(65.8,61.9) v1(65.8,61.3) v1(65.8,60.7) v1(65.8,60.1) v1(65.8,54.5) v1(65.75,5.5) v1(65.75,5) v1(65.75,4.5) v1(65.75,4) v1(65.9,125.3) v1(65.9,16.5) v1(65.9,15.3) v1(66,121.3) v1(66,100.4) v1(66,26.53) v1(66,11.25) v1(66.1,23.7) v1(66.2,69.5) v1(66.25,32.25) v1(66.5,54.5) v1(66.5,6) v1(66.5,5.5) v1(66.5,5) v1(66.5,4.5) v1(66.5,4) v1(66.5,3.5) v1(66.5,3) v1(66.5,2.5) v1(66.6,16.5) v1(66.6,15.3) v1(66.8,23.7) v1(66.75,11.25) v1(66.9,69.5) v1(66.9,45.9) v1(66.9,44.6) v1(67,2.5) v1(67.5,66.5) v1(67.5,11.25) v1(67.5,2.5) v1(67.5,2) v1(67.5,1.5) v1(67.5,1) v1(67.5,0.5) v1(67.6,123.6) v1(67.6,101.2) v1(67.6,99) v1(67.6,69.5) v1(67.6,45.9) v1(67.6,44.6) v1(68,54.5) v1(68,31.5) v1(68,5.75) v1(68,5.25) v1(68,4.75) v1(68,4.25) v1(68,0.5) v1(68.2,66.5) v1(68.25,11.25) v1(68.3,45.9) v1(68.3,44.6) v1(68.5,32.5) v1(68.5,5.75) v1(68.5,5.25) v1(68.5,4.75) v1(68.5,4.25) v1(68.5,0.5) v1(68.7,54.5) v1(69,66.5) v1(69,11.25) v1(69,0.5) v1(69.1,65) v1(69.1,64.3) v1(69.5,54.5) v1(69.5,44.5) v1(69.5,0.5) v1(69.6,45.9) v1(69.75,11.25) v1(70,0.5) v1(70.2,54.5) v1(70.2,44.5) v1(70.3,45.9) v1(70.5,11.25) v1(70.5,0.5) v1(70.9,135.6) v1(70.9,54.5) v1(70.9,44.5) v1(71,126.4) v1(71,45.9) v1(71,0.5) v1(71.25,11.25) v1(71.5,125.6) v1(71.5,95.75) v1(71.5,5.75) v1(71.5,5.25) v1(71.5,4.75) v1(71.5,4.25) v1(71.5,0.5) v1(71.9,16.5) v1(71.9,15.3) v1(72,11.25) v1(72,5.75) v1(72,5.25) v1(72,4.75) v1(72,4.25) v1(72,0.5) v1(72.5,26.4) v1(72.5,25.7) v1(72.5,25) v1(72.5,0.5) v1(72.6,16.5) v1(72.6,15.3) v1(72.75,11.25) v1(73,0.5) v1(73.3,94.23) v1(73.3,16.5) v1(73.3,15.3) v1(73.5,11.25) v1(73.5,0.5) v1(73.9,125.8) v1(74,128.5) v1(73.99,124.3) v1(74,0.5) v1(74.25,11.25) v1(74.5,8.5) v1(74.5,8) v1(74.5,7.5) v1(74.5,7) v1(74.5,6.5) v1(74.5,6) v1(74.5,5.5) v1(74.48,5.01) v1(74.5,4.5) v1(74.5,4) v1(74.5,3.5) v1(74.49,3) v1(74.5,2.5) v1(74.5,2) v1(74.5,1.5) v1(74.5,1) v1(74.5,0.5) v1(75,11.25) v1(75,8.5) v1(75.5,8.5) v1(75.6,13.9) v1(75.65,13) v1(75.75,11.25) v1(75.75,7.5) v1(75.75,7) v1(75.75,6.5) v1(75.75,6) v1(76,8.5) v1(76.25,7.5) v1(76.25,7) v1(76.25,6.5) v1(76.25,6) v1(76.5,11.25) v1(76.5,8.5) v1(76.6,32.5) v1(76.6,31.8) v1(76.6,31.1) v1(76.8,123.8) v1(77.2,109.35) v1(77.66,13.64) v1(78,109.35) v1(78,11.25) v1(78.5,11.75) v1(78.5,8.5) v1(78.7,34) v1(78.7,33.3) v1(78.7,32.6) v1(78.75,7.5) v1(78.75,7) v1(78.75,6.5) v1(78.75,6) v1(79,8.5) v1(79.25,7.5) v1(79.25,7) v1(79.25,6.5) v1(79.25,6) v1(79.5,8.5) v1(80,8.5) v1(80.38,114.03) v1(80.5,8.5) v1(80.5,8) v1(80.5,7.5) v1(80.5,7) v1(80.5,6.5) v1(80.5,6) v1(80.5,5.5) v1(80.5,5) v1(80.5,4.5) v1(80.5,4) v1(80.5,3.5) v1(80.5,3) v1(80.49,2.51) v1(80.5,2) v1(80.5,1.5) v1(80.5,1) v1(80.5,0.5) v1(81,8.5) v1(81,8) v1(81,7.5) v1(81,7) v1(81,6.5) v1(81,6) v1(81,5.5) v1(80.99,5) v1(81,4.5) v1(81,4) v1(81,3.5) v1(81,3) v1(81,2.5) v1(81,2) v1(81,1.5) v1(81,1) v1(81,0.5) v1(81.1,114.2) v1(81.5,35.5) v1(81.5,8.5) v1(81.6,34.5) v1(81.8,31.3) v1(81.8,30.6) v1(81.8,29.9) v1(82,8.5) v1(82.2,124.1) v1(82.2,35.5) v1(82.25,7.5) v1(82.25,7) v1(82.25,6.5) v1(82.25,6) v1(82.3,34.5) v1(82.5,8.5) v1(82.56,18.54) v1(82.75,7.5) v1(82.75,7) v1(82.75,6.5) v1(82.75,6) v1(82.9,35.5) v1(83,34.5) v1(83,8.5) v1(84.35,19.85) v1(85,8.5) v1(85.5,8.5) v1(85.5,7.5) v1(85.5,7) v1(85.5,6.5) v1(85.5,6) v1(85.6,35.4) v1(85.6,34.7) v1(85.6,34) v1(85.6,33.1) v1(85.6,32.4) v1(85.6,31.7) v1(85.6,30.9) v1(85.6,30.2) v1(85.6,29.5) v1(86,69.8) v1(86,68.8) v1(86,8.5) v1(86,7.5) v1(86,7) v1(86,6.5) v1(86,6) v1(86.5,8.5) v1(87,8.5) v1(87,8) v1(87,7.5) v1(86.99,6.99) v1(87,6.5) v1(87,6) v1(87,5.5) v1(87,5) v1(87,4.5) v1(87,4) v1(87,3.5) v1(87,3) v1(87,2.5) v1(87,2) v1(87,1.5) v1(87,1) v1(87,0.5) v1(87.3,19.85) v1(87.4,65) v1(87.5,67.7) v1(87.5,67) v1(87.5,63.7) v1(87.5,0.5) v1(88,0.5) v1(88.2,75.3) v1(88.5,0.5) v1(89,0.5) v1(89.5,0.5) v1(90,0.5) v1(90.5,0.5) v1(91,138.55) v1(91,137.8) v1(91,137.05) v1(91,136.3) v1(91,135.55) v1(91,134.8) v1(91,134.05) v1(91,133.3) v1(91,132.55) v1(91,131.8) v1(91,131.05) v1(91,130.3) v1(91,129.55) v1(91,128.8) v1(91,128.05) v1(91,127.3) v1(91,126.55) v1(91,125.8) v1(91,125.05) v1(91,124.3) v1(91,123.55) v1(91,122.8) v1(91,122.05) v1(91,121.3) v1(91,120.55) v1(91,119.8) v1(91,119.05) v1(91,118.3) v1(91,117.55) v1(91,116.8) v1(91,116) v1(91,115.15) v1(91,114.4) v1(91,113.65) v1(91,112.9) v1(91,112.15) v1(91,111.4) v1(91,110.65) v1(91,109.9) v1(91,109.15) v1(91,108.4) v1(91,107.65) v1(91,106.9) v1(91,106.15) v1(91,105.4) v1(91,104.65) v1(91,103.9) v1(91,103.15) v1(91,102.4) v1(91,101.65) v1(91,100.9) v1(91,100.15) v1(91,99.4) v1(91,98.65) v1(91,97.72) v1(91,96.95) v1(91,96.2) v1(91,95.45) v1(91,94.7) v1(91,93.95) v1(91,93.2) v1(91,92.45) v1(91,91.7) v1(91,90.95) v1(91,90.2) v1(91,89.45) v1(91,88.7) v1(91,87.95) v1(91,87.2) v1(91,86.45) v1(91,85.7) v1(91,84.95) v1(91,84.2) v1(91,83.45) v1(91,82.7) v1(91,81.95) v1(91,81.2) v1(91,80.45) v1(91,79.7) v1(91,78.95) v1(91,78.2) v1(91,77.45) v1(91,76.7) v1(91,75.95) v1(91,75.2) v1(91,74.45) v1(91,73.7) v1(91,72.95) v1(91,72.2) v1(91,71.45) v1(91,70.7) v1(91,69.95) v1(91,69.2) v1(91,68.45) v1(91,67.7) v1(91,66.95) v1(91,66.2) v1(91,65.45) v1(91,64.7) v1(91,63.95) v1(91,63.2) v1(91,62.45) v1(91,61.7) v1(91,60.9) v1(91,60.05) v1(91,59.3) v1(91,58.55) v1(91,57.8) v1(91,57.05) v1(91,56.3) v1(91,55.55) v1(91,54.8) v1(91,54.05) v1(91,53.3) v1(91,52.55) v1(91,51.8) v1(91,51.05) v1(91,50.3) v1(91,49.55) v1(91,48.8) v1(91,48.05) v1(91,47.3) v1(91,46.55) v1(91,45.8) v1(91,45.05) v1(91,44.3) v1(91,43.55) v1(91,42.62) v1(91,41.85) v1(91,41.1) v1(91,40.35) v1(91,39.6) v1(91,38.85) v1(91,38.1) v1(91,37.35) v1(91,36.6) v1(91,35.85) v1(91,35.1) v1(91,34.35) v1(91,33.6) v1(91,32.85) v1(91,32.1) v1(91,31.35) v1(91,30.6) v1(91,29.85) v1(91,29.1) v1(91,28.35) v1(91,27.6) v1(91,26.85) v1(91,26.1) v1(91,25.35) v1(91,24.6) v1(91,23.8) v1(91,23) v1(91,22.25) v1(91,21.5) v1(91,20.75) v1(91,20) v1(91,19.25) v1(91,18.5) v1(91,17.75) v1(91,17) v1(91,16.25) v1(91,15.5) v1(91,14.75) v1(91,14) v1(91,13.25) v1(91,12.5) v1(91,11.75) v1(91,11) v1(91,10.25) v1(91,9.5) v1(91,8.75) v1(91,8) v1(91,7.25) v1(91,6.5) v1(91,5.75) v1(91,4.75) v1(91,4) v1(91,3.25) v1(91,2.5) v1(91,1.75) v1(91,1) v1(91,0.5)
